# Altium PCB EDA-03518-V3-0_pcb.pcbdoc (part 3 of 14) (continued)
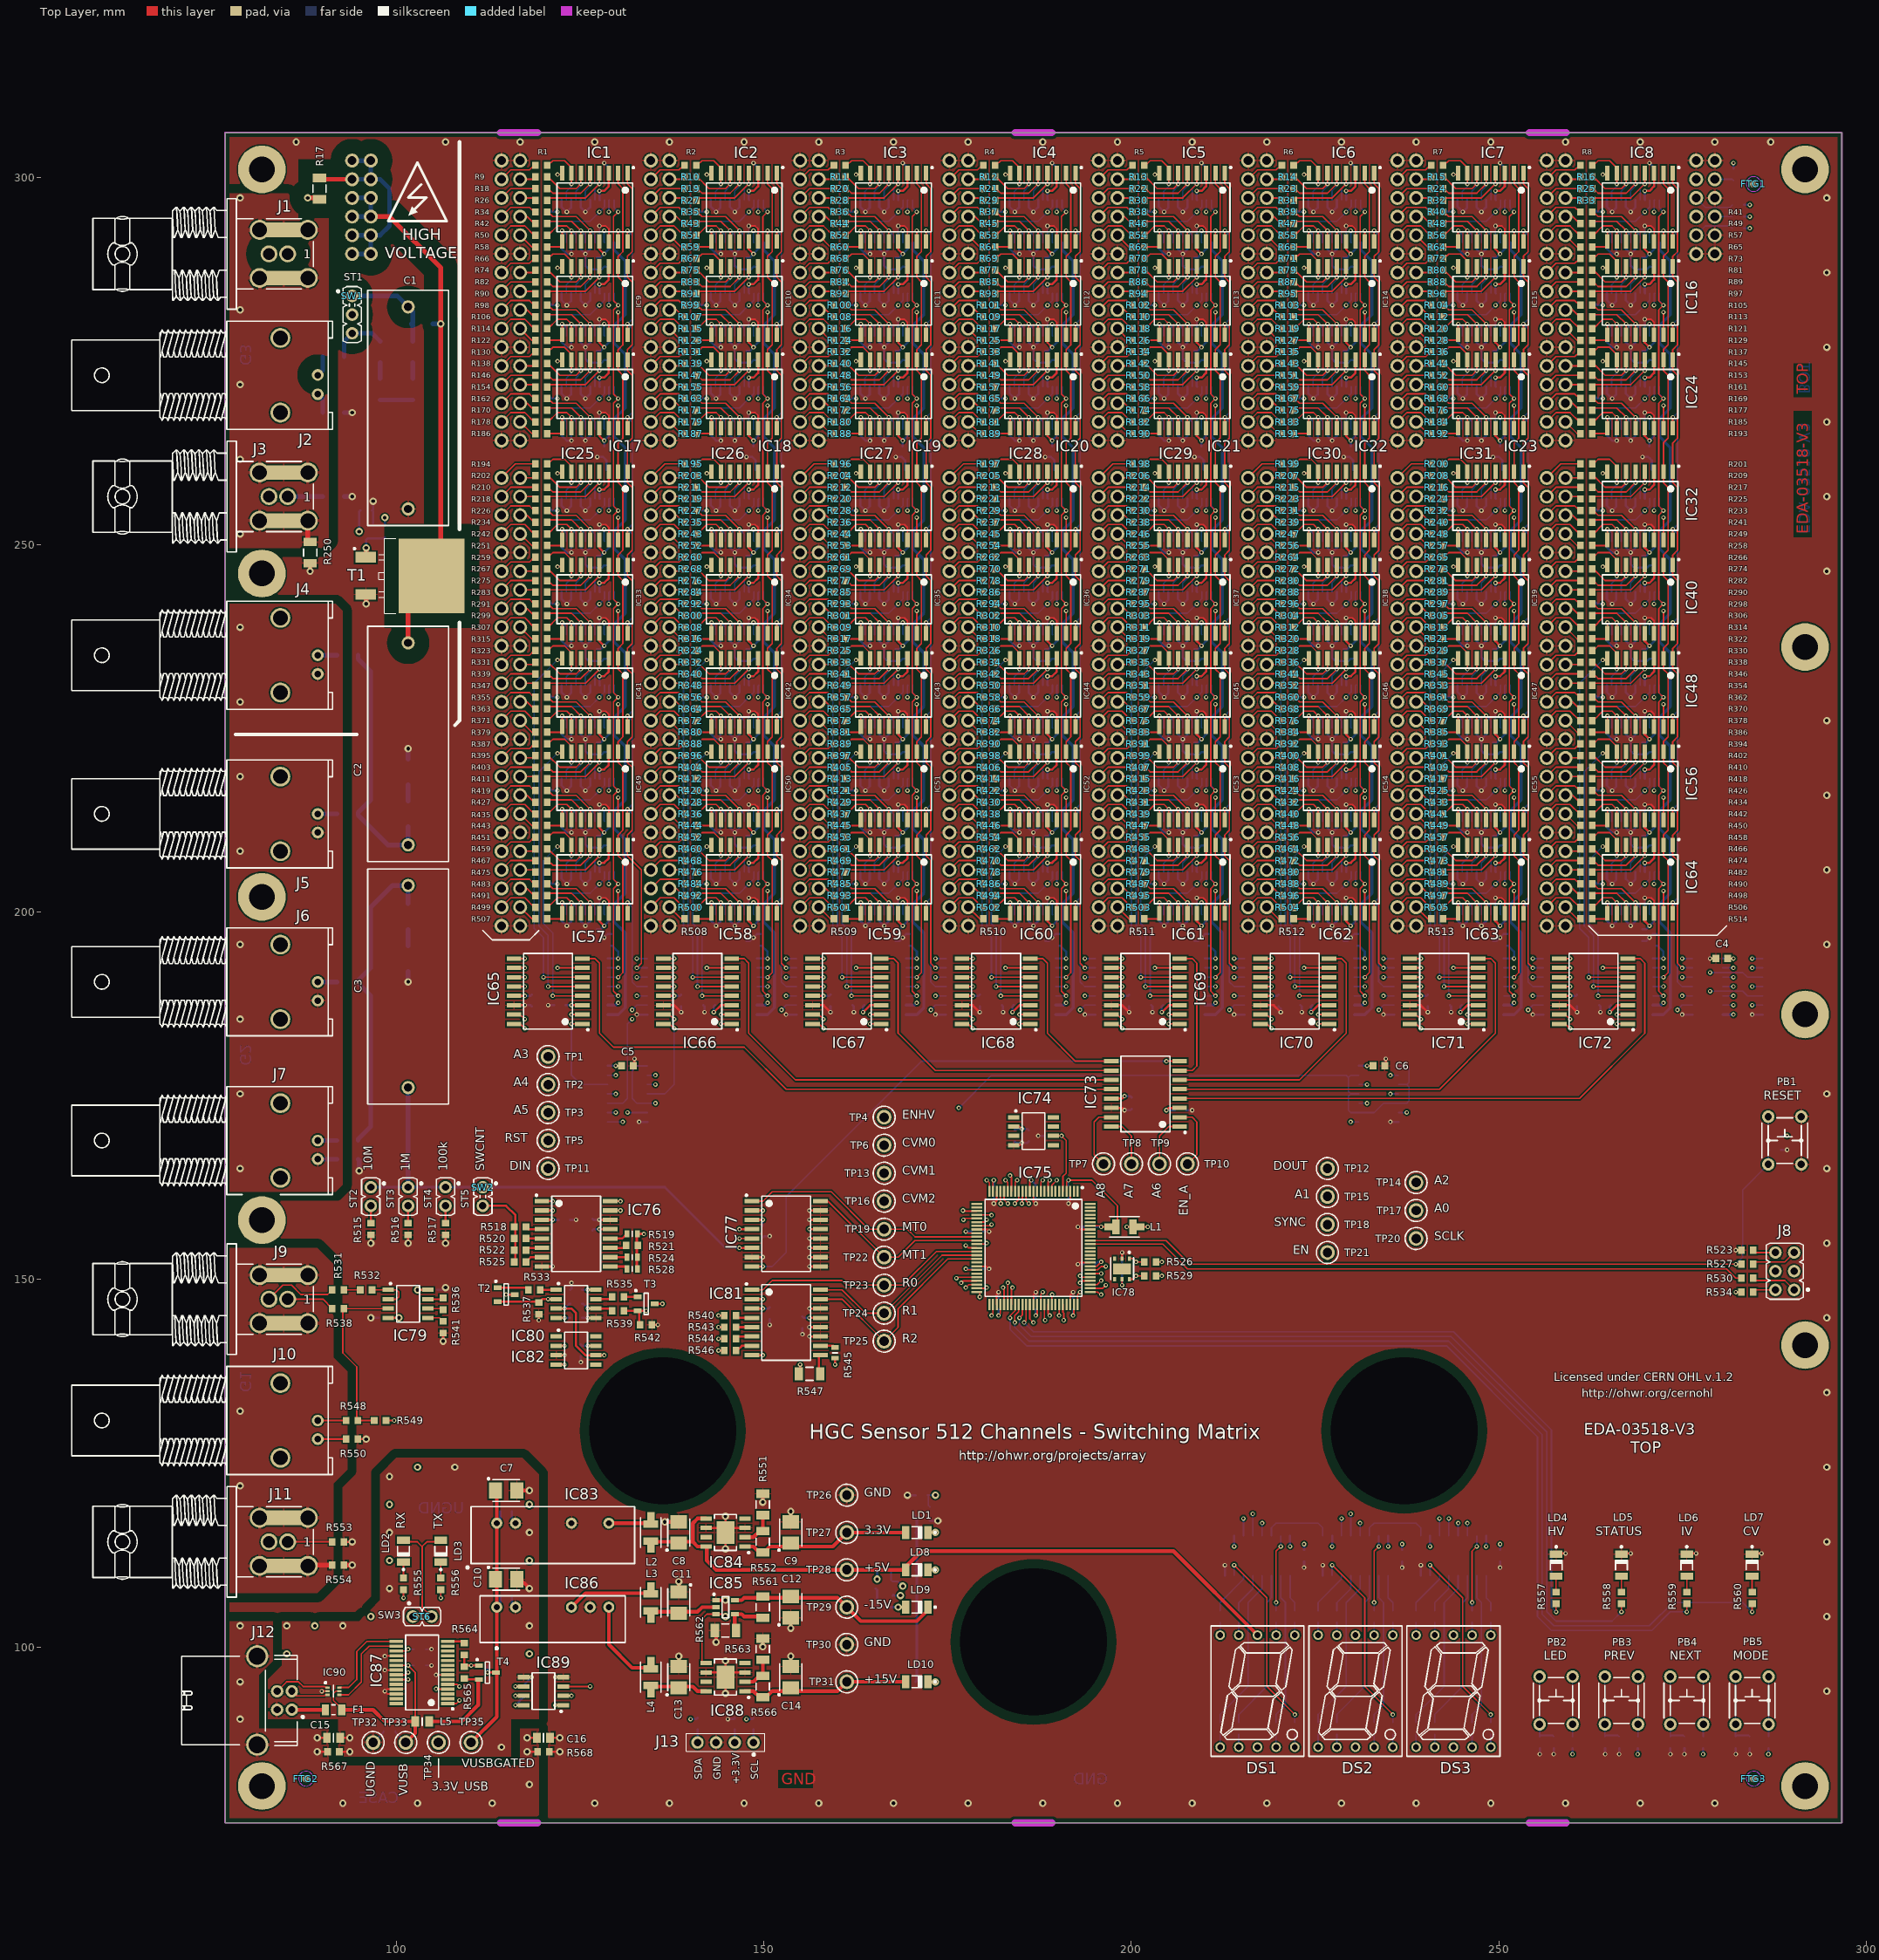
[diagram p0: Top Layer view]
## Footprints (in the part's own frame and the unit in brackets; to place one, negate y for a bottom-side part, rotate by r counter-clockwise, add the part's x,y. Pads: shape width x height; smd on the part's side, far side on the other; paste and mask are expansions set on the pad) (continued)
  rect 1.5x0.3 smd: 1(-7.7,6) 2(-7.7,5.5) 3(-7.7,5) 4(-7.7,4.5) 5(-7.7,4) 6(-7.7,3.5) 7(-7.7,3) 8(-7.7,2.5) 9(-7.7,2) 10(-7.7,1.5) 11(-7.7,1) 12(-7.7,0.5) 13(-7.7,0) 14(-7.7,-0.5) 15(-7.7,-1) 16(-7.7,-1.5) 17(-7.7,-2) 18(-7.7,-2.5) 19(-7.7,-3) 20(-7.7,-3.5) 21(-7.7,-4) 22(-7.7,-4.5) 23(-7.7,-5) 24(-7.7,-5.5) 25(-7.7,-6) 51(7.7,-6) 52(7.7,-5.5) 53(7.7,-5) 54(7.7,-4.5) 55(7.7,-4) 56(7.7,-3.5) 57(7.7,-3) 58(7.7,-2.5) 59(7.7,-2) 60(7.7,-1.5) 61(7.7,-1) 62(7.7,-0.5) 63(7.7,0) 64(7.7,0.5) 65(7.7,1) 66(7.7,1.5) 67(7.7,2) 68(7.7,2.5) 69(7.7,3) 70(7.7,3.5) 71(7.7,4) 72(7.7,4.5) 73(7.7,5) 74(7.7,5.5) 75(7.7,6)
  rect 0.3x1.5 smd: 26(-6,-7.7) 27(-5.5,-7.7) 28(-5,-7.7) 29(-4.5,-7.7) 30(-4,-7.7) 31(-3.5,-7.7) 32(-3,-7.7) 33(-2.5,-7.7) 34(-2,-7.7) 35(-1.5,-7.7) 36(-1,-7.7) 37(-0.5,-7.7) 38(0,-7.7) 39(0.5,-7.7) 40(1,-7.7) 41(1.5,-7.7) 42(2,-7.7) 43(2.5,-7.7) 44(3,-7.7) 45(3.5,-7.7) 46(4,-7.7) 47(4.5,-7.7) 48(5,-7.7) 49(5.5,-7.7) 50(6,-7.7) 76(6,7.7) 77(5.5,7.7) 78(5,7.7) 79(4.5,7.7) 80(4,7.7) 81(3.5,7.7) 82(3,7.7) 83(2.5,7.7) 84(2,7.7) 85(1.5,7.7) 86(1,7.7) 87(0.5,7.7) 88(0,7.7) 89(-0.5,7.7) 90(-1,7.7) 91(-1.5,7.7) 92(-2,7.7) 93(-2.5,7.7) 94(-3,7.7) 95(-3.5,7.7) 96(-4,7.7) 97(-4.5,7.7) 98(-5,7.7) 99(-5.5,7.7) 100(-6,7.7)
  silkscreen extent -8.32,-6.6 6.6,6.78, body extent -8,-8 8,8, height 1.2
RESC1509X55N [mm] "Chip Resistor, EIA 0603, Metric 1608, 1.55mm L X 0.85mm W X 0.55mm H, IPC Medium Density"
  rect 0.65x0.99 smd: 1(-0.72,0) 2(0.72,0)
  silkscreen extent 0,-0.35 0,0.35, body extent -0.77,-0.42 0.78,0.43, height 0.55
RESC1608X55N [mm] "Chip Resistor, EIA 0603, Metric 1608, Body 1.6x0.8mm, IPC Medium Density"
  rect 0.9x1 smd: 1(-0.8,0) 2(0.8,0)
  body extent -0.87,-0.47 0.88,0.48, height 0.55
RESC3216X65N [mm] "Chip Resistor, EIA 1206, Metric 3216, Body 3.2x1.6mm, IPC Medium Density"
  rect 1.15x1.8 smd: 1(-1.45,0) 2(1.45,0)
  silkscreen extent -0.5,-0.9 0.5,0.9, body extent -1.67,-0.87 1.68,0.88, height 0.65
SAMTEC_ESW-106-69-L-D [mm] "12 Contacts, Pitch 2.54mm, Dual Row Through Mount Straight Elevated Socket, Low Insertion Force (Lead Length 4.57mm)"
  round 1.9 hole 1.2: 1(-6.35,1.27) 2(-6.35,-1.27) 3(-3.81,1.27) 4(-3.81,-1.27) 5(-1.27,1.27) 6(-1.27,-1.27) 7(1.27,1.27) 8(1.27,-1.27) 9(3.81,1.27) 10(3.81,-1.27) 11(6.35,1.27) 12(6.35,-1.27)
  silkscreen extent -7.87,-2.48 7.87,3.28, body extent -7.87,-2.54 7.87,2.54, height 18.67
SAMTEC_ESW-116-69-L-D [mm] "32 Contacts, Pitch 2.54mm, Dual Row Through Mount Straight Elevated Socket, Low Insertion Force (Lead Length 4.57mm)"
  round 1.9 hole 1.2: 1(-19.05,1.27) 2(-19.05,-1.27) 3(-16.51,1.27) 4(-16.51,-1.27) 5(-13.97,1.27) 6(-13.97,-1.27) 7(-11.43,1.27) 8(-11.43,-1.27) 9(-8.89,1.27) 10(-8.89,-1.27) 11(-6.35,1.27) 12(-6.35,-1.27) 13(-3.81,1.27) 14(-3.81,-1.27) 15(-1.27,1.27) 16(-1.27,-1.27) 17(1.27,1.27) 18(1.27,-1.27) 19(3.81,1.27) 20(3.81,-1.27) 21(6.35,1.27) 22(6.35,-1.27) 23(8.89,1.27) 24(8.89,-1.27) 25(11.43,1.27) 26(11.43,-1.27) 27(13.97,1.27) 28(13.97,-1.27) 29(16.51,1.27) 30(16.51,-1.27) 31(19.05,1.27) 32(19.05,-1.27)
  silkscreen extent -20.57,-2.48 20.57,3.28, body extent -20.57,-2.54 20.57,2.54, height 18.67
SAMTEC_ESW-125-69-L-D [mm] "50 Contacts, Pitch 2.54mm, Dual Row Through Mount Straight Elevated Socket, Low Insertion Force (Lead Length 4.57mm)"
  round 1.9 hole 1.2: 1(-30.48,1.27) 2(-30.48,-1.27) 3(-27.94,1.27) 4(-27.94,-1.27) 5(-25.4,1.27) 6(-25.4,-1.27) 7(-22.86,1.27) 8(-22.86,-1.27) 9(-20.32,1.27) 10(-20.32,-1.27) 11(-17.78,1.27) 12(-17.78,-1.27) 13(-15.24,1.27) 14(-15.24,-1.27) 15(-12.7,1.27) 16(-12.7,-1.27) 17(-10.16,1.27) 18(-10.16,-1.27) 19(-7.62,1.27) 20(-7.62,-1.27) 21(-5.08,1.27) 22(-5.08,-1.27) 23(-2.54,1.27) 24(-2.54,-1.27) 25(0,1.27) 26(0,-1.27) 27(2.54,1.27) 28(2.54,-1.27) 29(5.08,1.27) 30(5.08,-1.27) 31(7.62,1.27) 32(7.62,-1.27) 33(10.16,1.27) 34(10.16,-1.27) 35(12.7,1.27) 36(12.7,-1.27) 37(15.24,1.27) 38(15.24,-1.27) 39(17.78,1.27) 40(17.78,-1.27) 41(20.32,1.27) 42(20.32,-1.27) 43(22.86,1.27) 44(22.86,-1.27) 45(25.4,1.27) 46(25.4,-1.27) 47(27.94,1.27) 48(27.94,-1.27) 49(30.48,1.27) 50(30.48,-1.27)
  silkscreen extent -32,-2.48 32,3.28, body extent -32,-2.54 32,2.54, height 18.67
SAMTEC_MTLW-102-07-L-S-250 [mm] "2 Contacts - Pitch 2.54mm - Single Row Through Mount Straight Header (Post Lead = 6.35mm, Tail Lead 3.05mm, Insulator 1.52mm)"
  round 1.7 hole 1: 1(0,0) 2(2.54,0)
  silkscreen extent -1.27,-1.24 3.81,1.93, body extent -1.27,-1.24 3.81,1.24, height 7.87
SAMTEC_MTLW-103-07-L-D-250 [mm] "6 Contacts - Pitch 2.54mm - Dual Row Through Mount Straight Header (Post Lead = 6.35mm, Tail Lead 3.05mm, Insulator 1.52mm)"
  round 1.7 hole 1: 1(-2.54,-1.27) 2(-2.54,1.27) 3(0,-1.27) 4(0,1.27) 5(2.54,-1.27) 6(2.54,1.27)
  silkscreen extent -3.81,-3.29 3.81,2.51, body extent -3.81,-2.51 3.81,2.51, height 7.87
SAMTEC_MTLW-103-07-L-S-250 [mm] "3 Contacts - Pitch 2.54mm - Single Row Through Mount Straight Header (Post Lead = 6.35mm, Tail Lead 3.05mm, Insulator 1.52mm)"
  round 1.7 hole 1: 1(0,0) 2(2.54,0) 3(5.08,0)
  silkscreen extent -1.27,-2.05 6.35,1.24, body extent -1.27,-1.24 6.35,1.24, height 7.87
SAMTEC_SSW-104-02-L-S [mm] "4 Contacts, Pitch 2.54mm - Top Entry, Single Row, Through Mount Straigh Socket"
  round 1.7 hole 1: 1(-3.81,0) 2(-1.27,0) 3(1.27,0) 4(3.81,0)
  silkscreen extent -5.33,-1.21 5.33,1.81, body extent -5.33,-1.21 5.33,1.21, height 8.51
SENSIRION_SHT2X [mm] "SON, 1.00mm, Pitch; 6 Pin, 3.00mm W X 3.00mm L X 1.20mm H body (W/Thermal Tab 1.40 X 2.3mm), SEMIRION DFN"
  rect 0.6x0.4 smd: 1(1.4,-1) 2(1.4,0) 3(1.4,1) 4(-1.4,1) 5(-1.4,0) 6(-1.4,-1)
  rect 1.5x2.4 smd: 7(0,0)
  silkscreen extent -1.5,-1.55 2.37,1.55, body extent -1.5,-1.5 1.5,1.5, height 1.05
SOIC127P600X175-8N [mm] "SOIC 8, Pitch 1.27mm - Body 4x5mm, IPC Medium Density"
  rect 1.55x0.6 smd: 1(-2.7,1.905) 2(-2.7,0.635) 3(-2.7,-0.635) 4(-2.7,-1.905) 5(2.7,-1.905) 6(2.7,-0.635) 7(2.7,0.635) 8(2.7,1.905)
  silkscreen extent -2.52,-2.5 1.55,2.88, body extent -3.1,-2.5 3.1,2.5, height 1.75
SOIC127P600X175-9N-R241X309 [mm] "SOIC 8, Pitch 1.27mm - Body 3.9x4.9mm, (w/thermal tab 2.41mm X 3.098mm), IPC Medium Density"
  rect 1.55x0.6 smd: 1(-2.65,1.905) 2(-2.65,0.635) 3(-2.65,-0.635) 4(-2.65,-1.905) 5(2.65,-1.905) 6(2.65,-0.635) 7(2.65,0.635) 8(2.65,1.905)
  rect 2.41x3.098 smd: 9(0,0)
  silkscreen extent -3.27,-2.45 1.5,2.87, body extent -3.1,-2.5 3.1,2.5, height 1.75
SOIC127P600X175-14N [mm] "SOIC 14, Pitch 1.27mm - Body 4x8.75mm, IPC Medium Density"
  rect 1.55x0.6 smd: 1(-2.7,3.81) 2(-2.7,2.54) 3(-2.7,1.27) 4(-2.7,0) 5(-2.7,-1.27) 6(-2.7,-2.54) 7(-2.7,-3.81) 8(2.7,-3.81) 9(2.7,-2.54) 10(2.7,-1.27) 11(2.7,0) 12(2.7,1.27) 13(2.7,2.54) 14(2.7,3.81)
  silkscreen extent -2.53,-4.4 1.55,4.78, body extent -3.1,-4.37 3.1,4.38, height 1.75
SOIC127P600X175-16N [mm] "SOIC 16, Pitch 1.27mm - Body 4x10mm, IPC Medium Density"
  rect 1.55x0.6 smd: 1(-2.7,4.445) 2(-2.7,3.175) 3(-2.7,1.905) 4(-2.7,0.635) 5(-2.7,-0.635) 6(-2.7,-1.905) 7(-2.7,-3.175) 8(-2.7,-4.445) 9(2.7,-4.445) 10(2.7,-3.175) 11(2.7,-1.905) 12(2.7,-0.635) 13(2.7,0.635) 14(2.7,1.905) 15(2.7,3.175) 16(2.7,4.445)
  silkscreen extent -2.45,-5 1.55,5.38, body extent -3.1,-5 3.1,5, height 1.75
SOIC127P1032X265-16N [mm] "SOIC, 1.27mm pitch; 16 pin, 7.50mm W X 10.4mm L X 2.65mm H body, IPC Medium Density"
  rect 2x0.6 smd: 1(-4.65,4.445) 2(-4.65,3.175) 3(-4.65,1.905) 4(-4.65,0.635) 5(-4.65,-0.635) 6(-4.65,-1.905) 7(-4.65,-3.175) 8(-4.65,-4.445) 9(4.65,-4.445) 10(4.65,-3.175) 11(4.65,-1.905) 12(4.65,-0.635) 13(4.65,0.635) 14(4.65,1.905) 15(4.65,3.175) 16(4.65,4.445)
  silkscreen extent -5.52,-5.15 3.32,5.38, body extent -5.18,-5.25 5.18,5.25, height 1.68
SOP65P640X120-24N [mm] "SOP, 0.65mm Pitch; 24 Pin, 4.40mm W X 7.80mm L X 1.20mm H Body, IPC Medium Density"
  rect 1.5x0.45 smd: 1(-2.9,3.575) 2(-2.9,2.925) 3(-2.9,2.275) 4(-2.9,1.625) 5(-2.9,0.975) 6(-2.9,0.325) 7(-2.9,-0.325) 8(-2.9,-0.975) 9(-2.9,-1.625) 10(-2.9,-2.275) 11(-2.9,-2.925) 12(-2.9,-3.575) 13(2.9,-3.575) 14(2.9,-2.925) 15(2.9,-2.275) 16(2.9,-1.625) 17(2.9,-0.975) 18(2.9,-0.325) 19(2.9,0.325) 20(2.9,0.975) 21(2.9,1.625) 22(2.9,2.275) 23(2.9,2.925) 24(2.9,3.575)
  silkscreen extent -3.72,-3.9 1.83,4.43, body extent -3.12,-3.95 3.12,3.95, height 1.2
SOP65P780X200-28N [mm] "SOP, 0.65mm Pitch; 28 Pin, 5.30mm W X 10.20mm L X 2.00mm H Body, IPC Medium Density"
  rect 1.85x0.45 smd: 1(-3.5,4.225) 2(-3.5,3.575) 3(-3.5,2.925) 4(-3.5,2.275) 5(-3.5,1.625) 6(-3.5,0.975) 7(-3.5,0.325) 8(-3.5,-0.325) 9(-3.5,-0.975) 10(-3.5,-1.625) 11(-3.5,-2.275) 12(-3.5,-2.925) 13(-3.5,-3.575) 14(-3.5,-4.225) 15(3.5,-4.225) 16(3.5,-3.575) 17(3.5,-2.925) 18(3.5,-2.275) 19(3.5,-1.625) 20(3.5,-0.975) 21(3.5,-0.325) 22(3.5,0.325) 23(3.5,0.975) 24(3.5,1.625) 25(3.5,2.275) 26(3.5,2.925) 27(3.5,3.575) 28(3.5,4.225)
  silkscreen extent -4.28,-5.1 2.25,5.1, body extent -4.11,-5.25 4.11,5.25, height 2
SOT95P230X110-3N [mm] "SOT23, 3 pin, Pitch 0.95mm - 1.3mm W X 2.9mm L X 1.1mm H, IPC Medium Density"
  rect 1x0.6 smd: 1(-1.15,0.95) 2(-1.15,-0.95) 3(1.15,0)
  silkscreen extent -2.19,-1.45 0.33,1.71, body extent -1.17,-1.5 1.33,1.5, height 1.1
SOT95P237X112-3N [mm] "SOT, 0.95mm, pitch; 3 pin,1.30mm W X 2.92mm L X 1.12mm H body, IPC Medium Density"
  rect 1.05x0.6 smd: 1(-1.15,0.95) 2(-1.15,-0.95) 3(1.15,0)
  silkscreen extent -1.52,-1.45 0.3,1.87, body extent -1.25,-1.5 1.25,1.5, height 1.1
SOT95P240X130-3N [mm] "SOT23 3-Leads, Pitch 0.95mm - Body 1.3x2.9mm, IPC Medium Density"
  rect 1.05x0.65 smd: 1(-1.15,0.95) 2(-1.15,-0.95) 3(1.15,0)
  silkscreen extent -1.52,-1.45 0.3,1.92, body extent -1.25,-1.5 1.25,1.5, height 1.3
SOT95P280X90-5N [mm] "SOT, 0.95mm Pitch; 5 Pin, 1.60mm W X 2.90mm L X 0.90mm H body, IPC Medium"
  rect 1.05x0.6 smd: 1(-1.3,0.95) 2(-1.3,0) 3(-1.3,-0.95) 4(1.3,-0.95) 5(1.3,0.95)
  silkscreen extent -1.67,-1.45 0.45,1.87, body extent -1.4,-1.5 1.4,1.5, height 0.9
SOTFL50P160X60-6N [mm] "SOTFL (SOT666), 0.50mm, Pitch; 6 Pin, 1.20mm W X 1.60mm L X 0.60mm H Body, IPC Medium Density"
  rect 0.57x0.3 smd: 1(-0.79,0.5) 2(-0.79,0) 3(-0.79,-0.5) 4(0.79,-0.5) 5(0.79,0) 6(0.79,0.5)
  silkscreen extent -1.22,-0.8 0,1.27, body extent -0.85,-0.85 0.85,0.85, height 0.6
STELVIO-KONTEK_3131730000402 [mm] "Red Insulated Jumper Pitch 2.54mm W=2.5mm L=5mm H=6.5mm"
  round 0.9 smd paste-0.46 mask-0.46: 1(0,0)
  silkscreen extent 1.1,-0.38 1.44,0.38, body extent -1.23,-1.25 3.77,1.25, height 8.5
TO254P1340X450-3N-R900X1020 [mm] "D2PAK TO-263-2L, TO, 2.54mm Pitch; 2 Pin, 13.4mm L X 10mm W X 4.50mm H Body, IPC Medium Density"
  rect 2.8x1.45 smd: 1(-5.75,2.54) 2(-5.75,-2.54)
  rect 9x10.2 smd: 3(3.2,0)
  silkscreen extent -7.42,-5.1 -1.65,5.1, body extent -6.21,-5.1 7.36,5.1, height 4.57
TYCO_1-1337543-0#1 [mm] "50 Ohms  BNC Elbow PCB Socket With Mounting Posts"
  round 1.6 hole 0.9 copper offset 0,-0.05: 1(-5.48,0)
  round 1.6 hole 0.9 copper offset 0,0.05: 2(-5.48,2.54)
  round 2.7 hole 2: 3(-0.4,5.08) 3(-0.4,-5.08)
  silkscreen extent -7.5,-7.35 28,7.35, body extent -7.5,-7.35 28,7.35, height 15.8
TYCO_1-1337543-0#2 [mm] "50 Ohms  BNC Elbow PCB Socket With Mounting Posts"
  round 1.6 hole 0.9: 1(-5.48,0) 2(-5.48,2.54)
  round 2.7 hole 2: 3(-0.4,5.08) 3(-0.4,-5.08)
  silkscreen extent -7.5,-7.35 28,7.35, body extent -7.5,-7.35 28,7.35, height 15.8
TYCO_292304-1 [mm] "Thru Hole, Right Angle, 4 Position, Type B, USB Receptacle"
  round 1.7 hole 1: 1(1.25,1) 2(-1.25,1) 3(-1.25,-1) 4(1.25,-1)
  round 3 hole 2.3: 5(-6.02,-3.71) 5(6.02,-3.71)
  silkscreen extent -6.13,-13.98 6.13,2.64, body extent -7.19,-13.98 7.19,1.72, height 11.5
VERO_20-2136 [mm] "Black Bead PCB Terminal Test Pin (1.32 mm hole)"
  round 2 hole 1.3: 1(0,0)
  silkscreen extent -1.5,-1.5 1.5,1.5, body extent -1.5,-1.5 1.5,1.5, height 5.4

## Part data
C1 C2 C3: library part CPPR_1UF_1200V_5%_VISHAY_MKP1848C51012JK2, "Non-polarised capacitor", Case="LS27.5 W11 x L32 x H21", Manufacturer="VISHAY ROEDERSTEIN", Manufacturer Part Number=MKP1848C51012JK2, Tolerance=±5%, Voltage=1200VDC, Author="CERN DEM JMW", ComponentHeight=21mm, Component Type=Standard, CreateDate=09/11/2015, HelpURL="\\cern.ch\dfs\Applications\Altium\Datasheets\CPPR_VISHAY_MKP1848C DC-Link.pdf", LatestRevisionDate=09/11/2015, Mounted=Yes, Part Description="Metallized Polypropylene Film Capacitor (MKP1848C DC-Link)", Part Number=CPPR_1UF_1200V_5%_VISHAY_MKP1848C51012JK2, Pin Count=2, Sense=No, SMD=No, Socket=No, Status=None
C4 C5 C6 C17 C18 C19 C20 C21 C22 C23 C24 C25 C26 C27 C28 C29 C30 C31 C32 C33 C34 C35 C36 C37 C38 C39 C40 C41 C42 C43 C44 C45 C46 C47 C48 C49 C50 C51 C52 C53 C54 C55 C56 C57 C58 C59 C60 C61 C62 C63 C64 C65 C66 C67 C68 C69 C70 C71 C72 C73 C74 C75 C76 C77 C78 C79 C80 C81 C82 C83 C84 C85 C86 C87 C88 C89 C90 C91 C92 C93 C94 C95 C96 C97 C98 C99 C100 C101 C102 C103 C104 C105 C106 C107 C108 C109 C110 C111 C112 C113 C114 C115 C116 C117 C118 C119 C120 C121 C122 C123 C124 C125 C126 C127 C128 C129 C130 C131 C132 C133 C134 C135 C136 C137 C138 C139 C140 C141 C142 C143 C144 C145 C146 C147 C148 C149 C150 C151 C152 C153 C154 C155 C156 C157 C158 C159 C160 C161 C162 C163 C164 C165 C166 C167 C168 C169 C170 C171 C173 C174 C175 C176 C177 C178 C179 C180 C181 C182 C183 C184 C185 C186 C187 C188 C189 C190 C191 C192 C193 C194 C195 C196 C197 C199 C200 C201 C203 C204 C205 C206 C207 C208 C210 C211 C212 C213: library part CC0603_100NF_50V_10%_X7R, "Non-polarised capacitor", Case=0603, Manufacturer=GENERIC, Manufacturer1 ComponentHeight=0.87mm, Manufacturer1 Example=PHYCOMP, Manufacturer1 Part Number=223858615649, Tolerance=±10%, Voltage=50V, Author="CERN DEM JLC", Component Type=Standard, CreateDate=03/12/2007, HelpURL=\\cern.ch\dfs\Applications\Altium\Datasheets\CC0603_X7R_PHYCOMP.pdf, LatestRevisionDate=03/12/2007, Manufacturer Part Number=CC0603_100NF_50V_10%_X7R, Part Description="SMD Multilayer Chip Ceramic Capacitor", Part Number=CC0603_100NF_50V_10%_X7R, Pin Count=2, Sense=No, SMD=Yes, Socket=No, Status=Preferred, TC=X7R
  C4 C5 C6 C17 C18 C19 C20 C21 C22 C23 C24 C25 C26 C27 C28 C29 C30 C31 C32 C33 C34 C35 C36 C37 C38 C39 C40 C41 C42 C43 C44 C45 C46 C47 C48 C49 C50 C51 C52 C53 C54 C55 C56 C57 C58 C59 C60 C61 C62 C63 C64 C65 C66 C67 C68 C69 C70 C71 C72 C73 C74 C75 C76 C77 C78 C79 C80 C81 C82 C83 C84 C85 C86 C87 C88 C89 C90 C91 C92 C93 C94 C95 C96 C97 C98 C99 C100 C101 C102 C103 C104 C105 C106 C107 C108 C109 C110 C111 C112 C113 C114 C115 C116 C117 C118 C119 C120 C121 C122 C123 C124 C125 C126 C127 C128 C129 C130 C131 C132 C133 C134 C135 C136 C137 C138 C139 C140 C141 C142 C143 C144 C145 C146 C147 C148 C149 C150 C151 C152 C153 C154 C155 C156 C157 C158 C159 C160 C161 C162 C163 C164 C165 C166 C167 C168 C169 C170 C171 C173 C174 C175 C176 C177 C178 C179 C180 C181 C182 C183 C184 C185 C186 C189 C190 C191 C199 C200 C201 C203 C204 C205 C206 C207 C208 C210 C211 C212 C213: Mounted=Yes
  C187 C188 C192 C193 C194 C195 C196 C197: ClassName=NotMounted, Mounted=No
C7 C8 C9 C10 C11 C12 C13 C14: library part CTE3528-21_22UF_20V_10%_LESR0400, "Polarised capacitor", Case=B, Manufacturer=GENERIC, Manufacturer1 ComponentHeight=2.1mm, Manufacturer1 Example=AVX, Manufacturer1 Part Number=TPSB226K020R0400, Tolerance=±10%, Voltage=20V, Author="CERN DEM JLC", Component Type=Standard, CreateDate=25/04/2013, HelpURL=\\cern.ch\dfs\Applications\Altium\Datasheets\CTE_AVX_TPS.pdf, LatestRevisionDate=25/04/2013, Manufacturer Part Number=CTE3528-21_22UF_20V_10%_LESR0400, Mounted=Yes, Part Description="Low ESR 0R4 Solid Tantalum Chip Capacitor", Part Number=CTE3528-21_22UF_20V_10%_LESR0400, Pin Count=2, Sense=No, SMD=Yes, Socket=No, Status=None
C15 C16: library part CC0805_4.7NF_250V_10%_X7R, "Non-polarised capacitor", Case=0805, Manufacturer=GENERIC, Manufacturer1 ComponentHeight=1.45mm, Manufacturer1 Example=YAGEO, Manufacturer1 Part Number=CC0805KRX7RYBB472, Tolerance=±10%, Voltage=250V, Author="CERN DEM MR", Component Type=Standard, CreateDate=16/02/2016, HelpURL=\\cern.ch\dfs\Applications\Altium\Datasheets\CC0805_NP0X7R_MID-VOLTAGE_100-to-630V.pdf, LatestRevisionDate=16/02/2016, Manufacturer Part Number=CC0805_4.7NF_250V_10%_X7R, Part Description="SMD Multilayer Chip Ceramic Capacitor", Part Number=CC0805_4.7NF_250V_10%_X7R, Pin Count=2, Sense=No, SMD=Yes, Socket=No, Status=None, TC=X7R
  C15: Mounted=Yes
  C16: ClassName=NotMounted, Mounted=No
C172: library part CC0603_10UF_16V_20%_X5R, "Non-polarised capacitor", Case=0603, Manufacturer=GENERIC, Manufacturer1 ComponentHeight=0.8mm, Manufacturer1 Example=MURATA, Manufacturer1 Part Number=GRM188R61C106MA73D, Tolerance=±20%, Voltage=16V, Author="CERN DEM MR", Component Type=Standard, CreateDate=02/03/2016, HelpURL=\\cern.ch\dfs\Applications\Altium\Datasheets\CC0603_X5R_MURATA_GRM.pdf, LatestRevisionDate=02/03/2016, Manufacturer Part Number=CC0603_10UF_16V_20%_X5R, Mounted=Yes, Part Description="SMD Multilayer Chip Ceramic Capacitor", Part Number=CC0603_10UF_16V_20%_X5R, Pin Count=2, Sense=No, SMD=Yes, Socket=No, Status=None, TC=X5R
C198 C202 C209: library part CC0603_10NF_50V_10%_X7R, "Non-polarised capacitor", Case=0603, Manufacturer=GENERIC, Manufacturer1 ComponentHeight=0.87mm, Manufacturer1 Example=PHYCOMP, Manufacturer1 Part Number=223858615636, Tolerance=±10%, Voltage=50V, Author="CERN DEM JLC", Component Type=Standard, CreateDate=03/12/2007, HelpURL=\\cern.ch\dfs\Applications\Altium\Datasheets\CC0603_X7R_PHYCOMP.pdf, LatestRevisionDate=03/12/2007, Manufacturer Part Number=CC0603_10NF_50V_10%_X7R, Mounted=Yes, Part Description="SMD Multilayer Chip Ceramic Capacitor", Part Number=CC0603_10NF_50V_10%_X7R, Pin Count=2, Sense=No, SMD=Yes, Socket=No, Status=Preferred, TC=X7R
D1 D2 D3 D4: "Zener Diode", Case=SOD-80C, Manufacturer=NEXPERIA, Power=500mW, Voltage=10V, Author="CERN DEM JLC", Bonding=No, ComponentHeight=1.6mm, Component Type=Standard, CreateDate=06/05/2008, Device=BZV55-B10, HelpURL=\\cern.ch\dfs\Applications\Altium\Datasheets\BZV55.pdf, LatestRevisionDate=22/01/2018, Manufacturer Part Number=BZV55-B10, Mounted=Yes, PackageDescription="SOD80C, MELF Diode, 2-Leads, Body 3.5x1.5mm, IPC Medium Density", Part Description="Voltage Regulator Diode", Part Number=BZV55-B10, Pin Count=2, PressFit=No, Sense=No, SMD=Yes, Socket=No
DS1 DS2 DS3: library part DS_KINGBRIGHT_SA52-11SRWA, "7-Segment Red Display Common Anode", Color=Red, Manufacturer=KINGBRIGHT, Author="CERN DEM JMW", Bonding=No, ComponentHeight=7.25mm, Component Type=Standard, CreateDate=14/11/2008, Device=SA52-11SRWA, HelpURL=\\cern.ch\dfs\Applications\Altium\Datasheets\DS_KINGBRIGHT_SA52-11SRWA.pdf, LatestRevisionDate=17/03/2010, Manufacturer Part Number=SA52-11SRWA, Mounted=Yes, PackageDescription="13.2mm Single Digit Numeric Red Display, Body 12.65x17.75mm", Part Description="13.2mm Single Digit 7-Segment Red Display, Common Anode, Right Hand Dot Point", Part Number=DS_KINGBRIGHT_SA52-11SRWA, Pin Count=10, PressFit=No, Sense=No, SMD=No, Socket=No
F1: library part FUSR_BOURNS_MF-PSMF050X-2, "Fuse", Manufacturer=BOURNS, Manufacturer Part Number=MF-PSMF050X-2, Author="CERN DEM MR", ComponentHeight=0.48mm, Component Type=Standard, CreateDate=02/12/2015, Family="Fuses Resettable", HelpURL=\\cern.ch\dfs\Applications\Altium\Datasheets\FUSR_BOURNS_MF-PSMF.pdf, LatestRevisionDate=02/12/2015, Mounted=Yes, PackageDescription="PTC Resettable Fuse, MF-PSMS Series, Height 0.48mm", Part Description="PTC Resettable Fuse", Part Number=FUSR_BOURNS_MF-PSMF050X-2, Pin Count=2, PressFit=No, Sense=No, SMD=Yes, Socket=No
FTG1 FTG2 FTG3 FTG4 FTG5 FTG6: library part FIDUCIAL_TARGET_C100-200, "Fiducial Target", Author="CERN DEM JLC", ComponentHeight=0mm, Component Type="Standard (No BOM)", CreateDate=09/02/2010, Family=Fiducial, HelpURL=Undefined, LatestRevisionDate=04/04/2012, Mounted=No, PackageDescription="Round Fiducial Target, Top Layer, 1.0mm, Top Solder 2.0mm, Keepout =2.0mm", Part Description="Round Fiducial Target, Top Layer, 1.0mm, Top Solder 2.0mm, Keepout =2.0mm", Part Number=FIDUCIAL_TARGET_C100-200, Pin Count=1, Sense=No, SMD=Yes, Socket=No, Status=None
IC1 IC2 IC3 IC4 IC5 IC6 IC7 IC8 IC9 IC10 IC11 IC12 IC13 IC14 IC15 IC16 IC17 IC18 IC19 IC20 IC21 IC22 IC23 IC24 IC25 IC26 IC27 IC28 IC29 IC30 IC31 IC32 IC33 IC34 IC35 IC36 IC37 IC38 IC39 IC40 IC41 IC42 IC43 IC44 IC45 IC46 IC47 IC48 IC49 IC50 IC51 IC52 IC53 IC54 IC55 IC56 IC57 IC58 IC59 IC60 IC61 IC62 IC63 IC64 IC65 IC66 IC67 IC68 IC69 IC70 IC71 IC72 IC73 IC76 IC77 IC81: "Ultra-Low Leakage Monolithic CMOS Analog Multiplexers", Case=SOIC16W, Manufacturer=MAXIM, Author="CERN DEM BC", Bonding=No, ComponentHeight=2.65mm, Component Type=Standard, CreateDate=23/08/2016, Device=MAX328EWE+, HelpURL=\\cern.ch\dfs\Applications\Altium\Datasheets\MAX328EWE+.pdf, LatestRevisionDate=23/08/2016, Manufacturer Part Number=MAX328EWE+, PackageDescription="SOIC, 1.27mm pitch; 16 pin, 7.50mm W X 10.4mm L X 2.65mm H body, IPC Medium Density", Part Description="Ultra-Low Leakage Monolithic CMOS Analog Multiplexers", Part Number=MAX328EWE+, Pin Count=16, PressFit=No, Sense=No, SMD=Yes, Socket=No
  IC1 IC2 IC3 IC4 IC5 IC6 IC7 IC8 IC9 IC10 IC11 IC12 IC13 IC14 IC15 IC16 IC17 IC18 IC19 IC20 IC21 IC22 IC23 IC24 IC25 IC26 IC27 IC28 IC29 IC30 IC31 IC32 IC33 IC34 IC35 IC36 IC37 IC38 IC39 IC40 IC41 IC42 IC43 IC44 IC45 IC46 IC47 IC48 IC49 IC50 IC51 IC52 IC53 IC54 IC55 IC56 IC57 IC58 IC59 IC60 IC61 IC62 IC63 IC64 IC65 IC66 IC67 IC68 IC69 IC70 IC71 IC72 IC73 IC76 IC77: Mounted=Yes
  IC81: ClassName=NotMounted, Mounted=No
IC74: "5V Ultralow Noise, LDO XFET Voltage References with Current Sink and Source", Case=SOIC8, Manufacturer="ANALOG DEVICES", Author="CERN DEM JLC", Bonding=No, ComponentHeight=1.75mm, Component Type=Standard, CreateDate=28/10/2013, Device=ADR440BRZ, HelpURL=\\cern.ch\dfs\Applications\Altium\Datasheets\ADR440BRZ.pdf, LatestRevisionDate=17/12/2013, Manufacturer Part Number=ADR440BRZ, Mounted=Yes, PackageDescription="SOIC 8, Pitch 1.27mm, Body 4x5mm, IPC Medium Density", Part Description="2.048V Output, ±1mV ±0.05% Accuracy, 3ppm/°C Ultralow Noise XFET Voltage References with Current Sink and Source Capability", Part Number=ADR440BRZ, Pin Count=6, PressFit=No, Sense=No, SMD=Yes, Socket=No
IC75: "8/16-bit AVR XMEGA A1U Microcontroller, 1.6-3.6V, 128KB + 8KB Flash, 2KB EEPROM, 8KB SRAM, 100-pin TQFP, Industrial Grade (-40°C to 85°C), Pb-Free", Case=QFP100, Manufacturer=ATMEL, Author="CERN DEM MR", Bonding=No, ComponentHeight=1.2mm, Component Type=Standard, CreateDate=20/10/2016, Device=ATXMEGA128A1U-AU, HelpURL=\\cern.ch\dfs\Applications\Altium\Datasheets\ATXMEGA128A1U-AU.pdf, LatestRevisionDate=20/10/2016, Manufacturer Part Number=ATXMEGA128A1U-AU, Mounted=Yes, PackageDescription="QFP,0.50mm pitch,square;100 pin,14.00mm L X 14.00mm W X 1.20mm H body, IPC Medium Density", Part Description="8/16-bit AVR XMEGA A1U Microcontroller, 1.6-3.6V, 128KB + 8KB Flash, 2KB EEPROM, 8KB SRAM, 100-pin TQFP, Industrial Grade (-40°C to 85°C), Pb-Free", Part Number=ATXMEGA128A1U-AU, Pin Count=100, PressFit=No, Sense=No, SMD=Yes, Socket=No
IC78: "Humidity and Temperature Sensor IC", Case=SON6, Manufacturer=SENSIRION, Author="CERN DEM JLC", Bonding=No, ComponentHeight=1.2mm, Component Type=Standard, CreateDate=19/04/2012, Device=SHT25, HelpURL=\\cern.ch\dfs\Applications\Altium\Datasheets\SHT25.pdf, LatestRevisionDate=09/11/2017, Manufacturer Part Number=SHT25, Mounted=Yes, PackageDescription="SON, 1.00mm, Pitch; 6 Pin, 3.00mm W X 3.00mm L X 1.20mm H body (W/Thermal Tab 1.40 X 2.3mm), SEMIRION DFN", Part Description="I2C Digital Humidity 0 – 100% RH and Temperature -40°C to +125°C Sensor", Part Number=SHT25, Pin Count=6, PressFit=No, Sense=Yes, Sense Comment=Non-washable, SMD=Yes, Socket=No
IC79 IC80: "Dual Operational Amplifier", Case=SOIC8, Manufacturer="TEXAS INSTRUMENTS", Author="CERN DEM JMW", Bonding=No, ClassName=NotMounted, ComponentHeight=1.75mm, Component Type=Standard, CreateDate=07/05/2008, Device=TL072CD, HelpURL=\\cern.ch\dfs\Applications\Altium\Datasheets\TL072CD.pdf, LatestRevisionDate=07/05/2008, Manufacturer Part Number=TL072CD, Mounted=No, PackageDescription="SOIC 8, Pitch 1.27mm - Body 4x5mm, IPC Medium Density", Part Description="Dual Low-Noise JFET-Input Operational Amplifier", Part Number=TL072CD, Pin Count=8, PressFit=No, Sense=No, SMD=Yes, Socket=No
IC82: "Operational Amplifier", Case=SOIC8, Manufacturer="ANALOG DEVICES", Author="CERN DEM MR", Bonding=No, ClassName=NotMounted, ComponentHeight=1.75mm, Component Type=Standard, CreateDate=21/10/2016, Device=AD795JRZ, HelpURL=\\cern.ch\dfs\Applications\Altium\Datasheets\AD795JRZ.pdf, LatestRevisionDate=21/10/2016, Manufacturer Part Number=AD795JRZ, Mounted=No, PackageDescription="SOIC 8, Pitch 1.27mm - Body 4x5mm, IPC Medium Density", Part Description="Low Power, Low Noise Precision FET Operational Amplifier", Part Number=AD795JRZ, Pin Count=8, PressFit=No, Sense=No, SMD=Yes, Socket=No
IC83: "TRACO, TMV Serie, Single Output DCDC Converter", Manufacturer="TRACO POWER", Author="CERN DEM JLC", Bonding=No, ComponentHeight=12.75mm, Component Type=Standard, CreateDate=22/01/2009, Device="TMV 0505EN", HelpURL="\\cern.ch\dfs\Applications\Altium\Datasheets\TMV 0505EN.pdf", LatestRevisionDate=22/01/2009, Manufacturer Part Number="TMV 0505EN", Mounted=Yes, PackageDescription="TMV Series, Single Output DC/DC Converter,  Body 22x7.5mm", Part Description="5V ±10% to 5V, Iout (max) 200mA, 1W DC-DC Converter", Part Number="TMV 0505EN", Pin Count=4, PressFit=No, Sense=No, SMD=No, Socket=No
IC84 IC88: "20V, 500mA, Low Noise, CMOS LDO Linear Regulator", Case=SOIC8, Manufacturer="ANALOG DEVICES", Author="CERN DEM JLC", Bonding=No, ComponentHeight=1.75mm, Component Type=Standard, CreateDate=16/12/2013, Device=ADP7104ARDZ-R7, HelpURL=\\cern.ch\dfs\Applications\Altium\Datasheets\ADP7104ARDZ-R7.pdf, LatestRevisionDate=16/12/2013, Manufacturer Part Number=ADP7104ARDZ-R7, Mounted=Yes, PackageDescription="SOIC 8, Pitch 1.27mm - Body 3.9x4.9mm, (w/thermal tab 2.41mm X 3.098mm), IPC Medium Density", Part Description="20V, 500mA, Low Noise, CMOS LDO Linear Regulator", Part Number=ADP7104ARDZ-R7, Pin Count=7, PressFit=No, Sense=No, SMD=Yes, Socket=No
IC85: "-1.22V to -27V, -200mA, Adjustable, Low Noise, Negative Linear Regulator", Case=SOT23-5, Manufacturer="ANALOG DEVICES", Author="CERN DEM JLC", Bonding=No, ComponentHeight=0.9mm, Component Type=Standard, CreateDate=16/06/2014, Device=ADP7182AUJZ-R7, HelpURL=\\cern.ch\dfs\Applications\Altium\Datasheets\ADP7182AUJZ-R7.pdf, LatestRevisionDate=16/06/2014, Manufacturer Part Number=ADP7182AUJZ-R7, Mounted=Yes, PackageDescription="SOT23, 0.95mm pitch; 5 pin, 1.75mm W X 3.00mm L, IPC Medium Density", Part Description="-1.22V to -27V, -200mA, Adjustable, Low Noise, Negative Linear Regulator", Part Number=ADP7182AUJZ-R7, Pin Count=5, PressFit=No, Sense=No, SMD=Yes, Socket=No
IC86: "TRACO, TMV Serie, Dual Output DCDC Converter", Manufacturer="TRACO POWER", Author="CERN DEM WB", Bonding=No, ComponentHeight=10.2mm, Component Type=Standard, CreateDate=02/08/2016, Device="TMV 0515D", HelpURL="\\cern.ch\dfs\Applications\Altium\Datasheets\TMV 0515D.pdf", LatestRevisionDate=02/08/2016, Manufacturer Part Number="TMV 0515D", Mounted=Yes, PackageDescription="TMV Series, Dual Output DC/DC Converter,  Body 19.5x7.1mm", Part Description="5V ±10% to ±15V, Iout (max) ±65mA, 1W DC-DC Converter", Part Number="TMV 0515D", Pin Count=5, PressFit=No, Sense=No, SMD=No, Socket=No
IC87: "USB to serial UART Interface", Case=SSOP28, Manufacturer="FUTURE TECHNOLOGY DEVICES INTERNATIONAL (FTDI)", Author="CERN DEM JLC", Bonding=No, ComponentHeight=2mm, Component Type=Standard, CreateDate=16/09/2010, Device=FT232RL, HelpURL=\\cern.ch\dfs\Applications\Altium\Datasheets\FT232RL.pdf, LatestRevisionDate=16/09/2010, Manufacturer Part Number=FT232RL, Mounted=Yes, PackageDescription="SOP, 0.65mm Pitch; 28 pin, 5.30mm W X 10.20mm L X 2.00mm H body, IPC Medium Density", Part Description="USB to serial UART Interface", Part Number=FT232RL, Pin Count=28, PressFit=No, Sense=No, SMD=Yes, Socket=No
IC89: "Dual Channel Digital Isolator", Case=SOIC8, Manufacturer="TEXAS INSTRUMENTS", Author="CERN DEM BC", Bonding=No, ComponentHeight=1.75mm, Component Type=Standard, CreateDate=24/08/2016, Device=ISO7221AD, HelpURL=\\cern.ch\dfs\Applications\Altium\Datasheets\ISO7221AD.pdf, LatestRevisionDate=24/08/2016, Manufacturer Part Number=ISO7221AD, Mounted=Yes, PackageDescription="SOIC 8, Pitch 1.27mm - Body 4x5mm, IPC Medium Density", Part Description="Dual Channel Digital Isolator", Part Number=ISO7221AD, Pin Count=8, PressFit=No, Sense=No, SMD=Yes, Socket=No